# Allegro board BeagleBone_AI-64_Rev_B1_PCB_220602.brd (continued)
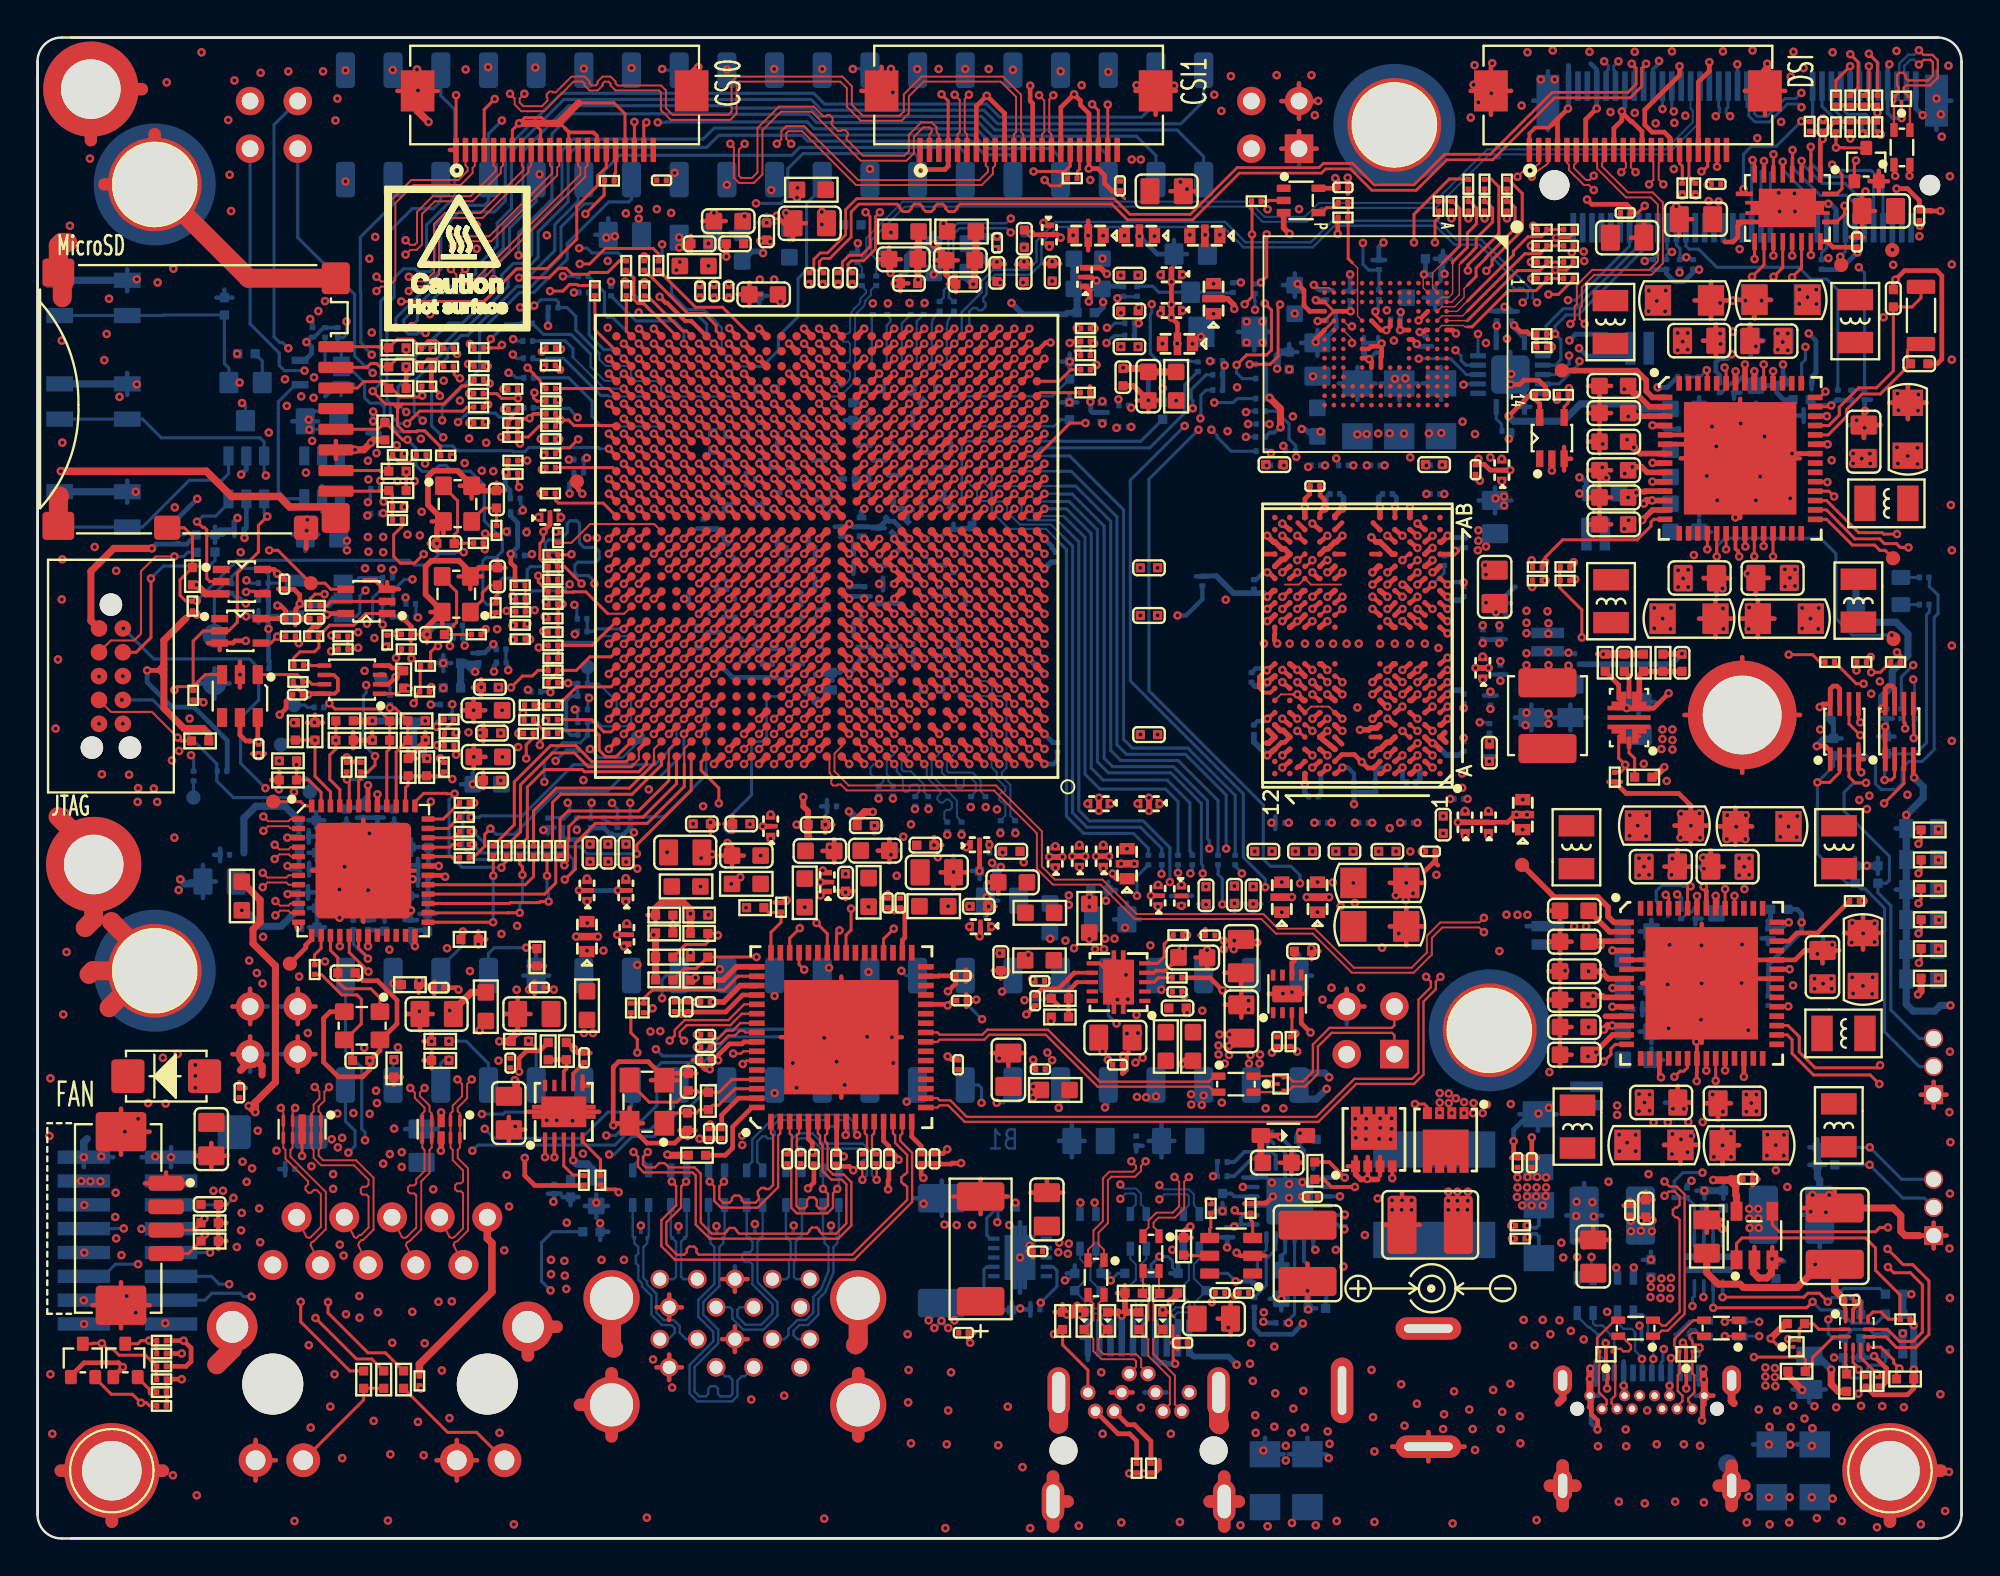
[diagram p0: board, top side]
## Copper pours and planes (outline as drawn; the poured copper is in the pictures) (continued)
GND on L12-SIGNAL (solid shape): 69.19,67.75 73.55,67.75 73.62,67.61 73.6,67.58 73.55,67.49 73.53,67.38 73.86,67.05 74.19,67.38 74.17,67.49 74.12,67.58 74.1,67.61 74.17,67.75 74.66,67.75 75.04,67.36 75.04,66.4 75.07,66.26 75.15,66.14 75.6,65.69 75.6,63.75 75.53,63.67 75.51,63.67 75.4,63.64 75.3,63.57 75.27,63.54 75.06,63.74 75.01,63.78 74.95,63.82 74.55,64.22 74.55,64.83 74.52,64.96 74.44,65.08 73.98,65.54 73.86,65.62 73.73,65.65 73.42,65.65 73.29,65.62 73.17,65.54 73.07,65.44 72.93,65.47 72.92,65.49 72.8,65.65 72.62,65.7 72.49,65.68 72.38,65.61 72.37,65.59 72.26,65.59 72.13,65.72 72.02,65.79 71.88,65.82 71.73,65.78 71.6,65.69 71.59,65.67 71.48,65.65 71.46,65.67 71.37,65.71 71.27,65.73 71.21,65.72 71.15,65.7 71.12,65.69 69.11,67.7 69.16,67.75
GND on L12-SIGNAL (solid shape): outline of 148 points within 80.32,75.32 86.97,76.55
GND on L12-SIGNAL (solid shape): 17.76,69.1 17.87,69.04 17.99,69.02 18.17,69.02 18.2,68.96 18.16,68.92 18.09,68.81 18.06,68.69 18.05,68.67 17.96,68.57 17.68,68.57 17.32,68.22 17.68,67.86 18.11,67.86 18.24,67.89 18.36,67.96 18.66,68.27 18.74,68.38 18.77,68.5 18.77,68.52 19.24,68.99 19.35,68.98 19.41,68.93 19.45,68.9 19.48,68.89 19.48,68.74 19.45,68.73 19.32,68.6 19.28,68.43 19.28,68.38 19.29,68.33 19.27,68.27 19.24,68.24 19.2,68.21 18.44,67.45 18.32,67.45 18.31,67.47 18.19,67.55 18.06,67.58 17.82,67.48 17.73,67.25 17.77,67.08 17.9,66.96 17.93,66.94 17.93,66.79 17.9,66.78 17.77,66.66 17.73,66.49 17.73,66.44 17.74,66.38 17.67,66.27 16.35,66.27 16.29,66.28 15.85,66.28 15.78,66.3 15.71,66.31 15.31,66.31 15.06,66.21 14.96,65.96 14.96,65.92 14.97,65.87 14.91,65.77 14.89,65.77 14.68,65.65 14.6,65.42 14.64,65.26 14.76,65.13 14.77,65.12 14.79,64.99 14.68,64.89 13.57,64.89 13.54,64.95 17.69,69.1
GND on L12-SIGNAL (solid shape): 58.12,65.96 58.24,65.88 58.38,65.86 58.95,65.86 59.03,65.78 59.03,65.76 59.13,65.55 59.36,65.46 59.41,65.46 59.49,65.37 59.48,65.29 60.05,65.06 59.81,65.63 59.77,65.62 59.68,65.72 59.69,65.78 59.77,65.86 60.74,65.86 60.8,65.71 60.78,65.68 60.71,65.58 60.68,65.45 60.77,65.23 60.97,65.13 61.02,65.12 61.02,65.02 60.75,65.02 60.63,65 60.53,64.93 60.25,64.66 59.07,64.66 58.99,64.74 58.99,64.78 58.89,65.01 58.66,65.11 58.45,65.03 58.33,64.83 58.33,64.8 58.18,64.75 57.95,64.98 57.95,65.09 57.96,65.11 58.02,65.21 58.04,65.32 57.94,65.56 57.71,65.65 57.59,65.63 57.49,65.57 57.48,65.56 57.37,65.56 57.28,65.65 57.18,65.72 57.06,65.74 56.41,65.74 56.32,65.84 56.34,65.94 56.42,66.02 57.1,66.02 57.16,66.03 57.22,66 57.34,65.84 57.53,65.78 57.73,65.84 57.85,66.02 57.86,66.05 58,66.09
GND on L12-SIGNAL (solid shape): outline of 85 points within 63.24,59.03 73.01,64.51
GND on L12-SIGNAL (solid shape): 51.17,64.69 51.27,64.62 51.4,64.6 51.66,64.6 51.71,64.54 51.71,64.49 52.04,64.16 52.37,64.49 52.36,64.6 52.51,64.6 52.51,64.49 52.84,64.16 53.17,64.49 53.17,64.53 53.27,64.61 53.32,64.6 53.35,64.6 53.61,64.6 53.73,64.62 53.83,64.69 53.97,64.83 54.09,64.83 54.1,64.8 54.13,64.72 54.18,64.66 54.3,64.54 54.4,64.47 54.52,64.45 54.62,64.45 54.62,64.37 54.58,64.34 54.21,63.97 54.18,64 54.08,64.06 53.97,64.08 53.74,63.98 53.64,63.75 53.64,63.73 53.56,63.65 52.37,63.65 52.37,63.7 52.04,64.02 51.71,63.7 51.71,63.65 51.57,63.65 51.57,63.7 51.24,64.02 50.91,63.7 50.91,63.65 50.25,63.65 50.18,63.78 50.2,63.81 50.27,63.94 50.31,64.07 50.32,64.09 50.4,64.16 50.44,64.16 50.67,64.25 50.77,64.49 50.77,64.53 50.75,64.59 50.75,64.83 51.03,64.83
GND on L12-SIGNAL (solid shape): 67.09,68.05 67.12,67.9 67.2,67.79 67.37,67.61 67.49,67.53 67.63,67.5 67.78,67.5 67.78,67.35 67.81,67.21 67.89,67.09 68.06,66.92 68.18,66.84 68.32,66.81 68.56,66.82 69.72,65.65 69.69,65.62 69.64,65.52 69.62,65.41 69.72,65.18 69.95,65.08 70,65.08 70.06,65.1 70.08,65.11 70.19,65.03 70.19,64.92 70.13,64.92 70.08,64.94 70.03,64.94 69.7,64.61 70.03,64.28 70.1,64.29 70.19,64.21 70.19,64.12 70.1,64.04 70.03,64.05 69.7,63.72 70.03,63.39 70.15,63.41 70.26,63.48 70.29,63.52 70.71,63.1 70.68,63.07 70.63,62.97 70.61,62.86 70.71,62.62 70.94,62.53 71.05,62.54 71.15,62.6 71.18,62.63 71.85,61.96 71.97,61.88 72.11,61.86 73.61,61.86 73.73,61.74 73.66,61.68 73.63,61.69 73.56,61.72 73.48,61.72 71.23,61.72 69.35,63.61 69.35,65.03 69.32,65.17 69.24,65.29 68.73,65.81 68.63,65.88 68.51,65.91 68.5,65.91 68.43,65.99 68.43,66.01 68.33,66.24 68.1,66.34 67.91,66.28 67.79,66.13 67.78,66.1 67.64,66.07 65.49,68.22 65.52,68.28 67.09,68.28
GND on L12-SIGNAL (solid shape): outline of 324 points within 58.04,63.2 68.34,67.41
GND on L12-SIGNAL (solid shape): outline of 348 points within 75.03,73.55 97.36,79.59
GND on L12-SIGNAL (solid shape): outline of 361 points within 53.85,60.22 62.81,64.35
GND on L12-SIGNAL (solid shape): outline of 453 points within 13.08,48.1 19.95,63.95
GND on L12-SIGNAL (solid shape): outline of 648 points within 49.74,71.94 71.5,78.5
GND on L12-SIGNAL (solid shape): outline of 661 points within 78.56,45.08 86.32,64.31
GND on L12-SIGNAL (solid shape): outline of 763 points within 78.14,50.19 92.4,67.12
GND on L12-SIGNAL (solid shape): outline of 1067 points within 69.17,63.65 93.82,76.2
GND on L12-SIGNAL (solid shape): outline of 1343 points within 40.77,62.04 65.3,74.61
GND on L12-SIGNAL (solid shape): outline of 2255 points within 33.24,50.84 45,75.9
GND on L12-SIGNAL (solid shape): outline of 3181 points within 81.73,4.31 102.21,79.59
GND on L12-SIGNAL (solid shape): outline of 4779 points within 1.7,10.18 36.7,78.5
GND on TOP: 59.56,34.38 61.69,34.38 62,34.08 62.43,34.08 62.51,34 62.51,33.62 62.46,33.57 61.9,33.57 61.34,34.13 59.54,34.13 59.43,34.23 59.43,34.26
GND on TOP: 59.89,12.31 60.7,12.31 60.81,12.21 60.81,9.85 60.7,9.74 60.7,9.24 60.6,9.14 60.15,9.59 60.15,10.46 60.32,10.63 60.32,11.7 60.17,11.85 59.81,11.85 59.76,11.9 59.76,12.18
GND on TOP: 91.41,63.08 89.38,63.08 89,63.47 89,64.48 88.47,65.02 88.47,68.22 87.02,69.66 87.02,71.04 87.22,71.24 87.65,71.24 87.96,70.93 87.96,69.61 88.16,69.41 89.81,69.41 90.17,69.05 90.17,67.73 90.96,66.95 92.05,66.95 92.17,66.82 92.17,64.99 91.72,64.53 91.72,63.39
GND on TOP: 45.82,36.06 45.82,36.9 45.41,37.3 45.41,37.84 45.03,38.22 44.5,38.22 44.35,38.07 44.35,37.76 44.96,37.15 44.96,36.08 45.06,35.98 45.06,34.15 45.16,34.05 46.02,34.05 46.07,34.1 46.07,34.54 45.97,34.64 45.97,35.91
GND on TOP: 40.43,71.09 39.09,71.09 38.71,70.7 38.71,70.04 38.86,69.89 39.22,69.89 39.67,69.43 40.51,69.43 40.69,69.61 40.69,70.83
GND on TOP: 96.62,69.49 96.62,71.34 97.23,71.95 97.74,71.95 97.86,72.08 97.86,72.46 98.07,72.66 98.75,72.66 99.36,72.05 99.36,71.87 99.18,71.7 98.04,71.7 97.74,71.39 97.74,69.59 98.27,69.05 98.27,68.47 98.6,68.14 99.06,68.14 99.16,68.04 99.16,67.76 99.01,67.61 97.61,67.61 97.31,67.91 97.31,69.03 97.05,69.28 96.82,69.28
GND on TOP: 83.46,61.81 82.67,61.81 81.91,61.05 81.91,58.84 81.18,58.11 81.18,54.09 81.63,53.64 83.44,53.64 83.79,53.99 83.79,61.48
GND on TOP: 38.17,66.18 38.17,67.05 37.79,67.43 36.88,67.43 36.6,67.15 35.94,67.15 35.76,66.97 35.76,66.82 35.96,66.62 37.08,66.62 37.62,66.08 38.07,66.08
GND on TOP: 48.66,68.27 48.66,68.44 48.54,68.57 48.21,68.57 48.11,68.47 48.11,66.46 48.36,66.21 48.84,66.21 49.12,66.49 49.12,67.25 48.82,67.56 48.82,68.11
GND on TOP: 73.2,15.23 71.91,15.23 71.47,15.66 71.47,17.72 70,19.19 70,19.98 70.15,20.13 70.33,20.13 70.43,20.03 70.43,19.5 70.46,19.47 70.64,19.47 70.66,19.5 70.66,20.03 70.74,20.11 71.02,20.11 71.09,20.03 71.09,19.5 71.12,19.47 71.3,19.47 71.32,19.5 71.32,20.03 71.4,20.11 71.7,20.11 71.75,20.06 71.75,19.17 72.01,18.91 73.07,18.91 73.66,18.33 73.66,15.69
GND on TOP: 95.93,30.8 94.66,30.8 94.41,31.06 94.41,31.61 94.74,31.94 95.22,31.94 96.52,33.24 97.89,33.24 98.22,32.91 98.22,31.77 98.02,31.56 96.7,31.56
GND on TOP: 100.63,61.18 99.11,61.18 98.55,60.62 97.2,60.62 96.64,60.06 96.64,59.68 96.14,59.17 96.14,58.92 96.24,58.82 98.02,58.82 98.8,59.61 100.63,59.61 100.86,59.83 100.86,60.95
GND on TOP: 47.7,37.15 48.74,37.15 49.35,36.54 50.87,36.54 51.05,36.72 51.36,36.72 51.61,36.47 51.61,33.57 51.33,33.29 51.33,33.11 51.2,32.99 50.37,32.99 50.32,32.94 50.32,32.27 50.7,31.89 50.7,30.8 51.05,30.45 51.81,30.45 52.25,30.01 53.19,30.01 53.26,29.94 53.26,29.43 52.83,29 52.83,28.59 52.91,28.52 53.29,28.52 53.74,28.97 54.13,28.97 54.23,28.87 54.23,28.36 54.07,28.21 53.62,28.21 53.26,27.86 49.93,27.86 49.35,28.44 49.35,31.44 50.14,32.22 50.14,33.24 50.44,33.54 50.44,34.08 50.21,34.31 48.94,34.31 48.41,34.84 48.41,36.14 47.98,36.57 47.72,36.57 47.57,36.72 47.57,37.02
GND on TOP: 42.54,38.68 42.11,38.68 41.76,38.32 41.76,37.38 42.01,37.13 42.01,36.31 42.19,36.14 42.62,36.14 42.82,36.34 42.82,38.4
GND on TOP: 31.47,36.34 29.23,36.34 29.11,36.21 29.11,35.96 29.21,35.86 31.52,35.86 31.6,35.93 31.6,36.21
GND on TOP: 85.88,68.5 85.29,68.5 85.09,68.7 85.09,70.02 84.78,70.32 84.78,70.98 84.86,71.06 85.24,71.06 85.44,71.26 85.82,71.26 85.9,71.19 85.9,70.2 86.03,70.07 86.03,68.65
GND on TOP: 60.45,71.82 60.45,73.37 58.67,75.15 58.67,78.02 58.88,78.22 60.5,78.22 62.46,76.27 62.46,72.66 61.34,71.54 60.73,71.54
GND on TOP: 57.68,25.06 57.68,25.52 57.58,25.62 57.58,27.52 56.79,28.31 56.79,30.65 56.97,30.83 57.45,30.83 57.86,31.23 57.86,32.48 57.99,32.6 58.42,32.6 58.67,32.35 58.67,31.06 58.34,30.73 58.34,27.8 58.72,27.42 58.72,26.23 58.06,25.57 58.06,25.11 57.94,24.98 57.76,24.98
GND on TOP: 55.83,11.5 53.74,11.5 52.58,10.33 52.58,7.31 51.46,6.19 48.84,6.19 48.41,6.62 48.41,9.14 49.48,10.2 49.48,11.12 49.63,11.27 51.71,11.27 52.17,11.73 52.17,13.38 49.3,16.25 47.09,16.25 46.84,16.5 46.84,19.65 47.19,20.01 54.63,20.01 54.89,19.75 54.89,18.3 54.63,18.05 52.93,18.05 52.27,17.39 52.27,16.12 52.53,15.87 52.73,15.87 53.11,15.49 53.11,14.77 53.62,14.27 55.14,14.27 55.6,13.81 55.6,12.54 55.98,12.16 55.98,11.65
GND on TOP: 24.76,27.19 24.76,29.61 24.33,30.04 21.61,30.04 21.21,29.63 21.21,29.13 20.88,28.79 20.88,27.4 21.26,27.02 21.26,25.39 20.14,24.27 18.67,24.27 18.57,24.38 18.57,24.76 18.67,24.86 19.25,24.86 19.71,25.32 19.71,28.64 20.04,28.97 20.04,30.78 20.44,31.18 22.91,31.18 23.26,31.54 23.26,32.02 23.42,32.17 24.89,32.17 26.39,30.67 26.62,30.67 26.79,30.5 26.79,30.29 26.57,30.06 26.57,29.13 26.08,28.64 26.08,27.32 25.47,26.71 25.47,25.7 25.32,25.54 25.07,25.54 24.79,25.82 24.43,25.82 24.2,26.05 24.2,26.64
GND on TOP: 37.03,38.73 36.07,38.73 35.63,38.29 35.63,37.74 35.05,37.15 35.05,36.06 35.33,35.78 37.13,35.78 37.36,36.01 37.36,37.61 37.21,37.76 37.21,38.55
GND on TOP: 80.11,20.24 78.81,20.24 78.41,20.64 78.41,22.65 77.85,23.21 77.85,24.02 78.23,24.4 79.37,24.4 80.01,25.04 80.01,28.72 78.81,29.91 78.81,32.3 78.61,32.5 78.26,32.5 77.14,33.62 74.45,33.62 73.61,32.78 73.61,31.94 73.4,31.74 72.13,31.74 71.98,31.89 71.98,35.4 72.21,35.63 78.33,35.63 80.08,33.87 81.23,33.87 81.53,33.57 81.53,32.5 81.71,32.33 81.71,25.26 81.56,25.11 81.38,25.11 80.67,24.4 80.67,20.79
GND on TOP: 87.09,24.05 89.79,24.05 90.02,23.82 90.02,22.37 90.47,21.91 90.47,20.31 90.83,19.96 91.79,19.96 92.45,19.3 97.84,19.3 98.27,19.73 98.27,23.38 98.83,23.94 100.48,23.94 100.71,23.71 100.71,20.62 99.38,19.28 99.39,19.27 99.39,17.31 99.29,17.21 99.13,17.21 98.93,17.42 97.51,17.42 97.15,17.06 94.33,17.06 92.81,18.58 91.59,18.58 91.26,18.91 91.26,19.42 91.06,19.63 89.41,19.63 88.9,19.12 88.9,18.3 88.49,17.9 85.42,17.9 85.16,17.64 84.38,17.64 83.94,17.21 83.94,15.94 83.72,15.71 81.96,15.71 81.58,16.09 81.58,18.56 82.19,19.17 85.95,19.17 86.79,20.01 86.79,23.74
GND on TOP: 52.83,24.78 53.21,24.78 53.29,24.86 53.29,25.9 52.75,26.43 51.2,26.43 50.9,26.13 48.49,26.13 48.16,25.8 48.16,25.57 48.31,25.42 50.04,25.42 50.32,25.14 52.47,25.14
GND on TOP: 45.62,68.37 45.08,68.37 44.78,68.06 44.78,66.74 45.03,66.49 45.87,66.49 46.15,66.77 46.15,67.3 45.79,67.66 45.79,68.19
GND on TOP: 23.98,40.1 23.98,41.04 23.75,41.27 23.75,42 24.03,42.28 24.03,43.35 23.75,43.63 23.75,44.77 23.95,44.97 23.95,45.58 23.87,45.66 22.83,45.66 22.76,45.58 22.76,40.07 22.98,39.84 23.72,39.84
GND on TOP: 36.88,68.29 36.88,69.33 36.5,69.71 36.5,71.67 35.48,72.69 33.58,72.69 33.42,72.53 33.42,71.97 33.83,71.57 33.83,68.72 33.98,68.57 34.77,68.57 35,68.8 35,69.28 35.15,69.43 36.02,69.43 36.19,69.26 36.19,68.27 36.35,68.11 36.7,68.11
GND on TOP: 5.38,23.49 7.64,23.49 8.13,23 8.13,21.12 8.43,20.82 12.09,20.82 12.75,20.16 12.75,16.32 9.42,13 8,13 6.58,11.57 3.78,11.57 3.33,12.03 3.33,13.3 4.49,14.47 9.01,14.47 9.45,14.9 9.45,17.87 9.57,18 9.98,18 10.08,17.9 10.56,17.9 10.64,17.97 10.64,18.94 10.18,19.4 8.68,19.4 7.85,18.56 4.98,18.56 4.34,19.19 4.34,22.44
GND on TOP: 67.05,29.46 65.12,29.46 64.79,29.79 64.79,30.5 64.56,30.73 63.14,30.73 62.3,31.56 62.3,32.5 62.15,32.66 61.8,32.66 61.62,32.48 61.62,30.6 62.02,30.19 62.89,30.19 63.42,29.66 63.42,29 63.32,28.9 62.91,28.9 62.33,29.48 61.14,29.48 60.93,29.28 60.93,28.34 61.08,28.19 62.35,28.19 62.81,27.73 64.41,27.73 65.28,28.59 67.59,28.59 68.53,27.65 70,27.65 70.36,28.01 70.36,28.9 68.27,30.98 68.27,31.49 68.22,31.54 67.77,31.54 67.64,31.41 67.64,31.03 67.21,30.6 67.21,29.61
GND on TOP: 68.88,14.24 66.93,14.24 65.83,15.33 64.23,15.33 64.11,15.46 64.11,16.7 63.55,17.26 63.55,17.64 63.7,17.8 65.66,17.8 65.96,18.1 67.59,18.1 67.74,18.25 67.74,18.43 67.66,18.51 67.66,20.49 67.43,20.72 66.55,20.72 66.37,20.54 66.37,19.57 66.16,19.37 63.47,19.37 62.86,18.76 62.86,16.73 63.14,16.45 63.14,12.36 62.69,11.9 62.69,10.13 63.75,9.06 67.33,9.06 69.14,10.86 69.14,13.99
GND on TOP: 24.64,22.32 25.47,22.32 26.69,23.54 28.83,23.54 28.93,23.64 28.93,24.32 29,24.4 29.77,24.4 30.02,24.15 30.02,22.65 29.31,21.94 26.69,21.94 25.7,20.95 24.66,20.95 24.38,21.23 24.38,22.06
GND on TOP, BOTTOM: 91.77,51.86 89.41,51.86 89,51.45 89,48.18 89.43,47.74 91.64,47.74 92.17,48.28 92.17,50.28 91.97,50.49 91.97,51.65
GND on TOP, BOTTOM: 90.88,39.26 87.75,39.26 87.27,38.78 87.27,37.23 86.87,36.82 86.87,35.25 86.99,35.12 89.43,35.12 89.63,35.32 89.63,36.59 89.84,36.8 90.93,36.8 91.18,37.05 91.18,38.95
GND on BOTTOM: 45.92,36.21 45.92,38.07 45.67,38.32 44.63,38.32 44.4,38.09 44.4,37.76 45.03,37.13 45.03,36.24 45.31,35.96 45.67,35.96
GND on BOTTOM: 2.66,26.05 1.75,25.14 1.75,20.31 2,20.06 8.35,20.06 8.51,20.21 8.51,22.37 10.23,24.1 13.82,24.1 14.5,24.78 14.5,28.77 14.15,29.13 10.97,29.13 7.9,26.05
GND on BOTTOM: 40.54,69.61 40.54,70.78 40.36,70.96 37.46,70.96 37.08,70.58 37.08,69.46 37.34,69.21 37.67,69.21 38.33,69.87 39.29,69.87 39.75,69.41 40.33,69.41
GND on BOTTOM: 86.82,20.11 86.64,19.93 83.84,19.93 81.13,22.65 81.13,23.28 80.77,23.64 78.97,23.64 78.33,23 78.33,21.84 79.04,21.12 81.1,21.12 81.28,20.95 81.28,19.45 81.43,19.3 81.43,15.89 82.73,14.6 86.03,14.6 86.18,14.75 86.18,15.26 86.08,15.36 84.2,15.36 83.39,16.17 83.39,18.43 83.56,18.61 84.02,18.61 84.58,19.17 88.21,19.17 88.47,18.91 88.47,18.53 88.62,18.38 89.96,18.38 90.09,18.51 90.09,18.81 90.42,19.14 90.42,21.91 90.02,22.32 90.02,25.98 91.46,27.42 91.46,30.52 92.43,31.49 92.43,31.97 92.33,32.07 88.97,32.07 88.67,32.38 88.67,32.94 88.47,33.14 88.21,33.14 87.65,32.58 86.99,32.58 86.71,32.86 85.95,32.86 85.55,32.45 85.55,28.95 85.39,28.79 85.39,28.01 85.57,27.83 85.57,25.42 85.93,25.06 86.76,25.06 87.04,24.78 87.04,24.43 86.82,24.2
GND on BOTTOM: 94,60.04 92.3,60.04 92,60.34 91.03,60.34 90.83,60.54 90.83,60.98 90.68,61.13 90.27,61.13 89.86,60.72 88.42,60.72 88.09,60.39 88.09,59.5 87.91,59.33 87.91,58.69 88.06,58.54 88.06,53.46 88.21,53.31 89.3,53.31 89.61,53.61 94.05,53.61 95.96,55.52 95.96,58.61 96.21,58.87 98.19,58.87 99.21,59.88 100.61,59.88 101.01,60.29 101.01,61.36 100.4,61.97 98.85,61.97 97.64,60.75 97.28,60.75 96.77,60.24 96.31,60.24 95.6,59.53 94.21,59.53 94.13,59.61 94.13,59.91
GND on BOTTOM: 78.66,66.11 78.66,65.5 78.51,65.35 77.57,65.35 75.41,63.19 73.94,63.19 73.84,63.29 73.48,63.29 73.18,62.98 73.18,62.68 73.3,62.55 75.23,62.55 75.51,62.27 75.51,61.05 75.28,60.82 69.59,60.82 69.26,61.15 69.26,62.88 68.91,63.24 67.36,63.24 67.16,63.03 64.51,63.03 64.16,63.39 64.16,64.79 64.46,65.09 66.04,65.09 66.55,64.58 68.88,64.58 69.06,64.76 69.06,65.12 69.14,65.19 71.93,65.19 72.06,65.07 72.06,63.95 71.73,63.62 70.48,63.62 70.36,63.49 70.36,62.83 70.64,62.55 71.75,62.55 72.03,62.83 72.03,63.36 72.57,63.9 73.51,63.9 73.76,63.64 74.19,63.64 74.34,63.8 74.34,64.56 74.06,64.84 74.06,66.56 74.37,66.87 74.88,66.87 74.98,66.97 74.98,67.68 74.9,67.76 74.72,67.76 74.67,67.81 74.67,68.6 74.7,68.62 76.15,68.62
GND on BOTTOM: 69.14,3.8 65,3.8 64.59,4.21 64.59,6.27 64.92,6.6 68.27,6.6 69.24,5.63 69.24,3.9
GND on BOTTOM: 70.08,66.44 66.85,66.44 66.57,66.72 66.57,67.4 66.77,67.61 70.05,67.61 70.23,67.43 70.23,66.59
GND on BOTTOM: 7.29,34.43 7.29,36.36 6.86,36.8 6.86,37.58 7.16,37.89 9.24,37.89 9.78,37.35 9.78,35.81 9.24,35.27 9.24,34.1 9.14,34 8.38,34 8.15,34.23 7.49,34.23
GND on BOTTOM: 91.79,63.42 91.79,64.96 92.05,65.22 92.05,66.67 91.79,66.92 88.77,66.92 88.54,66.69 88.54,65.12 88.9,64.76 88.9,63.52 89.25,63.16 91.54,63.16
GND on BOTTOM: 48.44,35.88 48.44,35.02 49.3,34.15 49.3,32.02 49.65,31.67 50.57,31.67 50.98,32.07 50.98,34.54 50.42,35.09 50.42,35.98 49.2,37.2 47.65,37.2 47.52,37.08 47.52,36.69 47.6,36.62 47.7,36.62
GND on BOTTOM: 97.15,14.49 92.4,14.49 92.25,14.65 92.25,14.9 92.76,15.41 93.85,15.41 94.21,15.76 94.21,18.66 94.66,19.12 97.1,19.12 97.71,18.51 97.71,15.05
GND on BOTTOM: 14.73,52.72 14.73,54.09 15.42,54.78 15.42,56.4 14.88,56.94 13.97,56.94 13.82,57.09 13.82,58.08 14.68,58.94 14.68,60.06 14.55,60.19 13.23,60.19 13.03,59.99 13.03,56.3 13.33,56 14.86,56 14.96,55.9 14.96,54.96 14.76,54.75 13.46,54.75 13.16,54.45 13.16,52.75 13.33,52.57 14.58,52.57
GND on BOTTOM: 26.67,30.8 25.63,30.8 25.3,30.47 25.3,28.95 25.47,28.77 26.69,28.77 26.92,29 26.92,30.55
GND on BOTTOM: 43.66,69.97 43.58,69.89 43.58,69.74 43.18,69.33 43.18,68.55 43.28,68.44 43.81,68.44 43.94,68.57 43.94,69.64 44.12,69.82 44.12,70.2 44.04,70.27 43.76,70.27 43.66,70.17
GND on BOTTOM: 73.78,30.29 73.78,35.5 73.45,35.83 72.41,35.83 72.16,35.58 72.16,32.4 71.17,31.41 67.92,31.41 67.59,31.74 66.75,31.74 66.6,31.59 66.6,29.28 67.87,28.01 70.36,28.01 71.78,29.43 72.92,29.43
GND on BOTTOM: 83.13,9.19 83.13,8.3 83.21,8.22 83.72,8.22 83.87,8.07 83.87,7.74 83.61,7.48 82.7,7.48 82.37,7.81 82.37,9.11 81.94,9.54 79.73,9.54 79.27,9.08 79.27,6.29 77.21,4.23 72.69,4.23 72.29,4.64 72.29,6.77 76.99,11.47 80.85,11.47
GND on BOTTOM: 41.73,37.46 41.98,37.2 41.98,36.11 42.16,35.93 42.72,35.93 42.85,36.06 42.85,37.66 42.54,37.96 42.54,38.27 42.16,38.65 42.16,39.21 42.03,39.34 41.6,39.34 41.53,39.26 41.53,38.47 41.73,38.27
GND on BOTTOM: 21.54,22.98 19,22.98 18.54,22.52 18.54,21.63 18.87,21.3 21.49,21.3 21.84,21.66 21.84,22.67
GND on BOTTOM: 64.21,16.04 62.94,16.04 62.43,15.54 62.43,14.88 62.08,14.52 62.08,14.06 62.23,13.91 62.79,13.91 63.37,13.33 64.74,13.33 64.87,13.45 64.87,13.63 64.79,13.71 64.54,13.71 64.41,13.83 64.41,15.84
GND on BOTTOM: 38.66,63.69 38.66,66.39 38.45,66.59 37.82,66.59 37.49,66.26 37.49,63.67 37.74,63.42 38.38,63.42
GND on BOTTOM: 97.89,33.24 96.52,33.24 95.22,31.94 94.77,31.94 94.44,31.61 94.44,31.03 94.66,30.8 95.96,30.8 96.72,31.56 98.02,31.56 98.63,30.95 100.81,30.95 101.06,31.21 101.06,32.07 100.68,32.45 98.68,32.45
GND on BOTTOM: 20.95,33.09 20.24,33.09 20.11,32.96 19.2,32.96 19.1,33.06 18.08,33.06 17.88,32.86 17.24,32.86 16.69,32.3 14.86,32.3 14.68,32.48 14.68,33.93 14.32,34.28 14.32,35.86 14.68,36.21 14.68,36.9 14.35,37.23 14.35,37.76 14.58,37.99 14.58,38.52 14.65,38.6 15.77,38.6 16.15,38.22 16.79,38.22 17.09,38.52 18.34,38.52 18.67,38.19 19.81,38.19 20.11,37.89 20.11,36.36 20.37,36.11 20.37,34.92 20.04,34.59 20.04,33.9 20.19,33.75 20.98,33.75 21.16,33.57 21.16,33.29
GND on BOTTOM: 54.15,18.46 54.15,15.97 54.07,15.89 53.24,15.89 52.96,15.61 52.96,7.59 51.97,6.6 48.16,6.6 47.93,6.82 47.93,9.16 49.48,10.71 49.48,11.01 49.6,11.14 51.15,11.14 51.69,11.68 51.69,12.51 51.53,12.67 51.53,16.83 51.71,17.01 52.4,17.01 52.63,17.24 52.63,18.15 52.37,18.41 50.49,18.41 50.21,18.13 50.21,16.68 49.73,16.2 45.69,16.2 45.34,16.55 45.34,21.56 46.02,22.24 55.52,22.24 55.75,22.01 55.75,20.36 55.95,20.16 57.78,20.16 58.16,20.54 58.16,20.87 58.32,21.02 59,21.02 59.31,21.33 59.31,21.91 59.41,22.01 60.42,22.01 60.53,21.91 60.53,19.83 59.79,19.09 54.79,19.09
GND on BOTTOM: 23.62,39.87 23.62,42.08 24,42.46 24,43.37 23.72,43.65 23.72,44.82 23.87,44.97 23.87,45.53 23.72,45.69 23.09,45.69 22.96,45.56 22.96,44.97 22.65,44.67 22.65,39.84 22.83,39.67 23.42,39.67
GND on BOTTOM: 83.84,45.56 82.52,44.24 79.04,44.24 78.36,43.55 78.36,42.33 77.75,41.72 77.29,41.72 77.14,41.57 77.14,41.11 77.42,40.83 82.34,40.83 84.12,42.61 84.12,43.68 84.5,44.06 87.3,44.06 89.69,41.67 92.33,41.67 93.29,42.64 93.29,44.92 92.66,45.56
GND on BOTTOM: 56.92,34.97 57.73,34.97 58.16,34.54 59.54,34.54 59.69,34.38 61.67,34.38 62.02,34.03 62.43,34.03 62.91,33.54 63.14,33.54 63.62,34.03 65.12,34.03 65.45,34.36 68.37,34.36 68.5,34.23 68.5,34.1 68.4,34 65.89,34 64.74,32.86 58.88,32.86 58.62,32.6 58.42,32.6 58.42,32.2 58.24,32.02 57.76,32.02 57.55,32.22 57.55,33.54 57.35,33.75 57.05,33.75 56.77,34.03 56.77,34.81
GND on BOTTOM: 91.59,7.59 91.44,7.43 91.44,4.66 91.74,4.36 95.07,4.36 95.4,4.69 95.4,5.83 96.34,6.77 100.45,6.77 100.94,7.26 100.94,8.63 100.63,8.93 93.98,8.93 93.24,8.2 93.24,7.81 93.01,7.59
GND on BOTTOM: 88.97,9.36 88.47,9.36 88.36,9.26 88.36,7.43 88.49,7.31 88.95,7.31 89.18,7.54 89.18,9.16
GND on BOTTOM: 68.17,77.49 66.85,77.49 66.39,77.03 66.39,73.47 66.62,73.24 67.99,73.24 68.48,73.73 68.48,77.18
GND on BOTTOM: 29.79,16.2 29.79,16.91 29.49,17.21 27.15,17.21 27,17.36 27,18.2 27.23,18.43 28.95,18.43 29.23,18.15 30.27,18.15 30.66,17.77 30.66,16.43 30.27,16.04 29.94,16.04
GND on L2-GND: outline of 108 points within 1.7,2.81 102.21,79.59
GND on L4-GND: outline of 108 points within 1.7,2.81 102.21,79.59
GND on L6-GND: outline of 108 points within 1.7,2.81 102.21,79.59
GND on L7-PWR/GND: 76.5,79.57 101.29,79.57 102.18,78.68 102.18,72.58 101.9,72.31 76.53,72.31 75.72,73.12 75.72,78.78
GND on L7-PWR/GND: 54.58,68.29 42.37,68.29 41.73,67.66 41.73,63.82 42.29,63.26 54.58,63.26 55.37,64.05 55.37,67.5
GND on L7-PWR/GND: 101.32,28.29 98.93,28.29 98.32,27.68 98.32,11.78 95.93,9.39 92.1,9.39 91.44,8.73 91.44,5.02 91.92,4.54 95.07,4.54 95.48,4.94 95.48,5.99 96.29,6.8 101.06,6.8 102.03,7.76 102.03,27.58